# KiCad board for_real_486_rc13.kicad_pcb (continued)
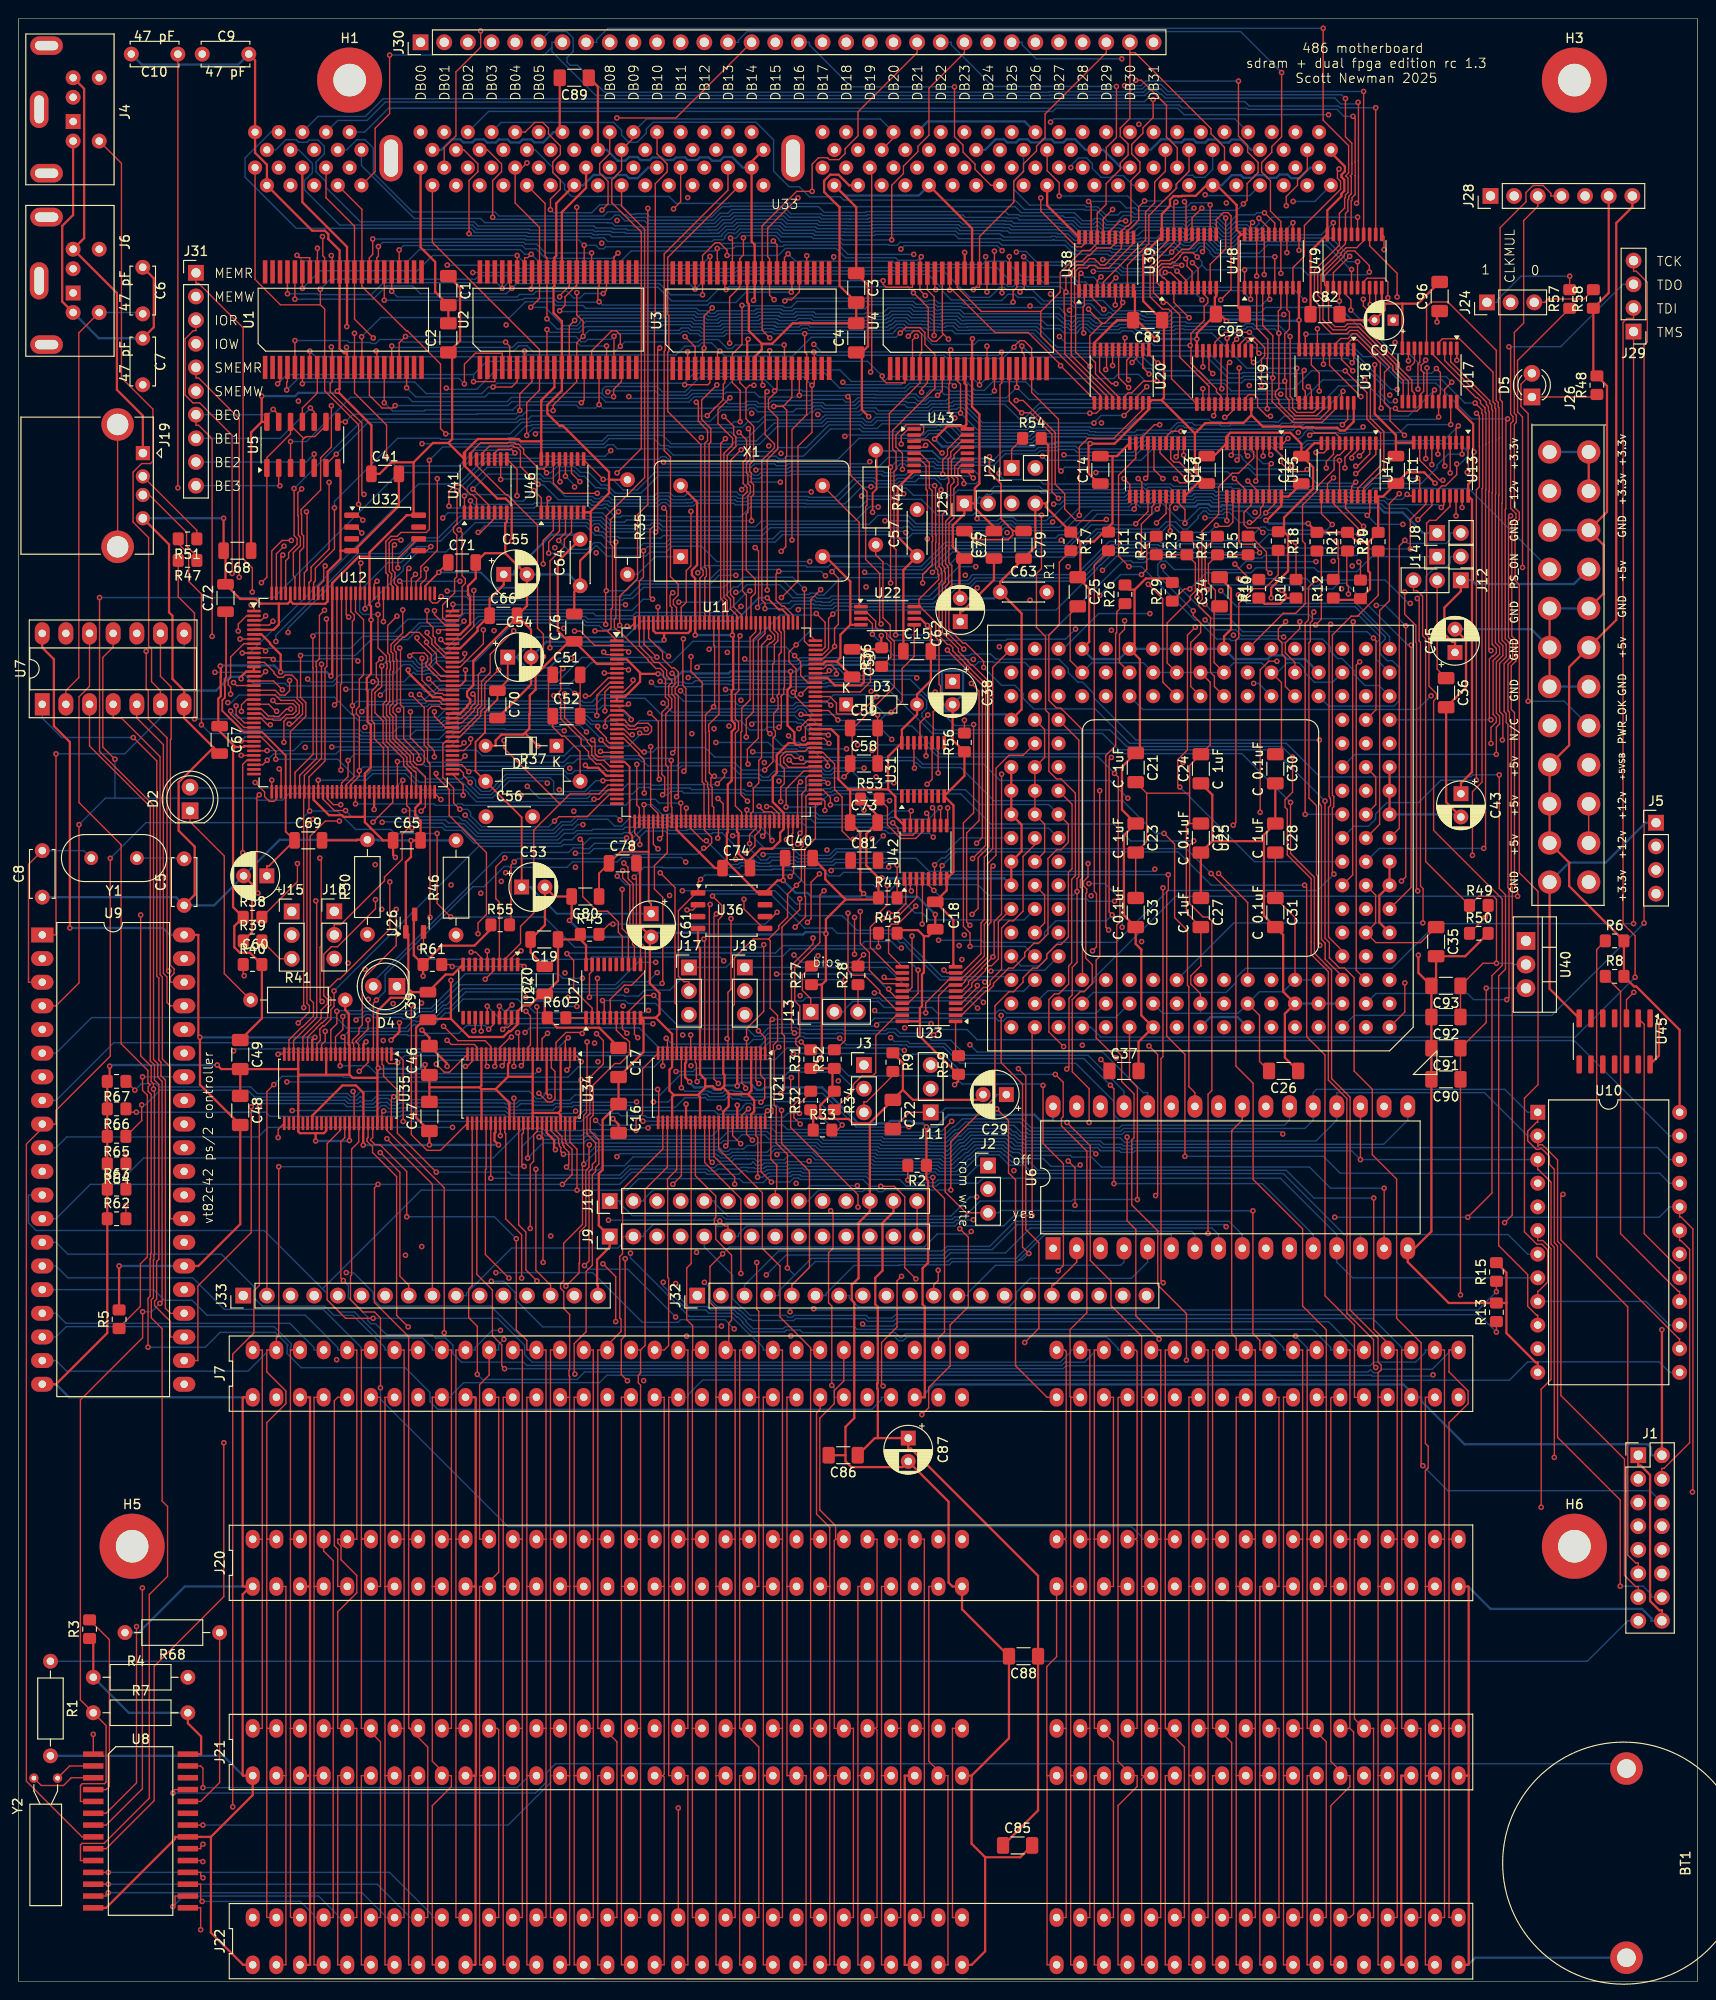
[diagram p0: board, top side]
## Routing (per net, layer and track width the routed paths; a pad name or vN(x,y) marks a point on that pad's centre or on a via; arc(x,y) is an arc through that point) (continued)
  In1.Cu w0.25: J7.3 29.15,62.74 29.15,63.81 26.42,66.55 26.42,68.34 19.31,75.45 19.31,76.84 U9.26 ; v1(43.33,102.17) 41.7,102.17 v1(40.91,102.97) ; 64.25,93.48 62.69,95.04 v1(57.04,95.04) ; 64.25,93.48 64.25,93.08 v1(63.84,92.66) ; 64.25,93.48 67.4,96.62 v1(72.09,96.62) ; J1.2 176.53,55.34 176.16,55.34 175.17,54.34 175.17,53.97 J1.3 ; v1(124.29,158.24) 124.29,159.13 120.57,162.86 110.69,162.86 110.39,162.56 J27.2 ; v1(37.32,100.92) 38.11,101.71 39.46,101.71 40.01,101.16 v1(40.01,101.1) ; v1(51.14,98.28) 51.14,98.19 50.55,97.59 46.71,97.59 v1(46.03,98.28) 44.88,99.42 33.81,99.42 v1(31.83,101.4) ; J21.3 29.15,22.1 29.15,22.5 27.01,24.64 23.52,24.64 19.31,28.85 R7.2
  In2.Cu w0.25: J7.29 96.27,60.75 96.71,60.31 96.71,51.45 95.19,49.92 95.19,42.42 ; J21.78 150.68,22.1 150.68,42.42 150.68,42.42 ; J21.29 95.19,22.1 95.19,42.42 ; J20.78 150.68,42.42 ; J19.1 13.35,163.07 13.21,163.07 2.53,152.39 U7.14 ; J12.1 154.93,151.67 154.56,151.67 153.75,152.48 153.75,153.84 153.19,154.4 152.38,154.4 J8.1 ; v1(51.14,98.28) 51.14,98.26 54.64,94.76 56.77,94.76 v1(57.04,95.04) ; J26.6 167.08,144.86 167.08,150.08 J26.4 ; J7.78 150.68,62.74 150.68,58.5 150.49,58.31 150.49,55.92 150.22,55.65 150.22,55.13 150.49,54.86 150.49,54.43 150.68,54.24 150.68,42.42 ; 95.19,42.42 J20.29 ; U10.24 178.43,92.22 178.15,92.22 176.53,90.6 v1(176.53,70)
  Bottom w0.25: U6.32 111.12,92.45 109.77,92.45 109.14,93.08 99.89,93.08 98.6,91.79 v1(97.52,91.79) 97.16,92.15 96.15,92.15 95.89,92.41 93.65,92.41 93.39,92.16 90.19,92.16 86.32,96.02 80.16,96.02 79.9,95.76 79.31,95.76 78.51,96.56 77.58,96.56 v1(77.2,96.17) 77.13,96.24 75.85,96.24 75.43,95.82 75.25,95.82 75.21,95.78 74.69,95.78 74.43,96.05 73.18,96.05 73.15,96.02 72.6,96.02 72.09,96.53 v1(72.09,96.62) ; U9.40 16.25,112.4 15.51,113.15 v1(5.5,113.15) ; J7.29 97.34,62.74 97.34,63.14 98.32,64.12 148.77,64.12 150.14,62.74 ; 150.14,62.74 150.68,62.74 150.68,62.33 155.32,57.69 174.98,57.69 175.35,57.32 175.35,56.51 J1.2 ; 150.14,62.74 J7.78 ; J26.4 167.08,150.09 156.5,150.09 156.1,150.5 J12.1 ; R4.1 11.83,28.85 R7.2 ; v1(124.29,158.24) 124.47,158.41 126.47,158.41 126.74,158.68 127.84,158.68 128.11,158.41 129.14,158.41 129.28,158.55 129.54,158.55 129.54,158.55 129.62,158.55 129.63,158.54 130.39,158.54 130.52,158.41 142.39,158.41 142.51,158.3 146.19,158.3 146.73,157.76 148.68,157.76 150.87,155.57 J8.1 ; U9.26 v1(10.8,76.84) ; v1(31.83,101.4) v1(19.48,101.4)
+12V: length 245.3
  Top w0.15: J26.11 J26.10 ; J20.9 44.44,42.42 ; 44.44,42.42 44.44,62.74 J7.9 ; 44.44,42.42 44.44,23.64 45.98,22.1 ; v1(154.89,73.73) C90.1 C91.1 157.65,103 v1(157.65,106.68) ; J22.9 44.44,1.78 44.44,18.87 46.49,20.93 46.49,22.1 45.98,22.1 ; 45.98,22.1 J21.9
  In2.Cu w0.15: U40.3 161.93,107.91 162.46,107.91 166.57,112.01 166.57,120.17 J26.11 ; v1(151.94,65.15) 153.17,66.38 153.17,72.02 v1(154.89,73.73)
  Bottom w0.15: v1(151.94,65.15) 151.81,65.01 145.41,65.01 145.32,65.11 63.19,65.11 62.39,64.3 47.8,64.3 46.49,62.99 46.49,62.74 J7.9 ; U40.3 v1(157.65,106.68)
GND: length 2483.1
  Top w0.25: 128.23,122.47 128.23,127.45 C24.1 ; 128.23,122.47 133.77,122.47 ; 128.23,122.47 C32.2 C27.1 ; R30.2 36.39,122.62 36.32,122.55 C69.2 ; C38.2 100.33,133.35 R56.1 101.6,129.48 U31.8 100.43,126.31 100.43,119.16 99.69,118.42 99.69,117.19 C18.1 100.41,114.01 100.41,109.21 U23.10 ; U16.10 117.98,163.83 117.51,163.83 ; U20.10 115.57,176.02 117.99,178.44 C83.2 119.92,178.63 ; U11.86 84.78,133 84.6,132.82 83.51,132.82 83.33,133 ; v1(43.66,98.47) 43.66,97.82 C46.1 44.13,96.03 ; C12.2 139.18,165.22 U14.10 ; C12.2 137.8,165.16 136.61,166.34 130.18,166.34 129.79,165.96 U15.10 128.4,163.83 C13.2 ; C12.2 137.87,163.83 139.07,162.63 139.07,160.35 135.94,157.22 135.94,155.71 ; 76.28,95.31 76.28,94 75.7,93.42 U21.39 ; 76.28,95.31 78.36,95.31 ; 76.28,95.31 76.28,95.43 75.66,96.05 ; U38.10 119.92,181.45 119.92,178.63 ; 79.83,175.9 80.95,175.9 83.14,178.09 C4.2 C3.2 88.19,182.13 88.19,190.55 86.53,192.2 86.53,193.4 87.18,194.05 88.08,194.05 89.22,192.91 U33.43 ; 79.83,175.9 79.83,175.25 79.07,174.49 U3.12 ; 79.83,175.9 78.44,177.29 78.44,180.17 78.27,180.35 U3.34 ; 135.94,155.71 136.37,155.27 136.37,151.49 134.55,149.67 v1(134.55,148.6) ; 135.94,155.71 R18.1 ; 119.92,178.63 v1(122.16,176.39) ; R11.1 116.81,155.94 ; 116.81,155.94 117.51,156.64 117.51,163.83 ; 116.81,155.94 115.51,154.64 114.06,154.64 ; C37.2 120.31,100.92 U25.A11 120.6,103.76 120.6,110.83 120,111.43 C33.2 118.73,114.51 118.73,123.1 C23.1 118.53,125.84 118.53,130.46 C21.1 120.45,132.38 120.45,142.01 U25.S12 119.88,143.67 119.88,149.48 ; U34.28 49.72,95.83 ; 49.72,95.83 51.24,95.83 ; 49.72,95.83 49.53,96.03 ; J21.80 155.71,22.1 ; U11.5 65.32,142 66.75,140.57 66.75,140.44 ; v1(82.93,140.7) 82.93,139.07 82.59,138.73 82.59,134.9 83.33,134.16 83.33,133 ; 53.55,146.69 55.04,145.19 C54.2 55.04,139.29 C70.2 ; 53.55,146.69 54.61,147.75 C55.2 54.54,151.13 52.27,153.4 ; 53.55,146.69 53.55,146.55 48.84,141.85 48.84,139.21 48.18,138.54 48.18,138.02 48.51,137.69 48.51,137.36 48.2,137.05 48.2,136.94 47.44,136.18 U12.86 ; 69.34,144.82 71.92,144.82 72.18,145.08 U11.132 ; 69.34,144.82 v1(69.34,144.09) ; 69.34,144.82 68.45,144.82 68.18,145.1 U11.140 ; 86.29,107.06 86.29,99.26 R31.1 R52.1 87.43,97.86 87.43,95.82 R34.1 86.11,94.09 86.11,93.01 ; 86.29,107.06 R27.1 ; 86.29,107.06 86.72,107.5 v1(86.72,112.53) 86.72,114.09 88.83,116.19 ; 68.44,103.5 U27.10 67.13,103.18 67.13,99.82 C17.2 C16.1 62.73,92.54 62.73,87.18 62.32,86.76 62.32,81.18 63.5,80.01 ; 68.44,103.5 70.2,101.75 U21.21 70.2,98.2 69.92,97.93 69.92,95.66 70.37,95.21 ; 68.44,103.5 68.85,103.91 68.85,106.16 67.81,107.19 67.81,112.05 C61.2 66.76,113.37 66.76,119.69 C78.2 ; U34.39 55.22,93.29 ; 55.22,93.29 57.98,93.29 ; 55.22,93.29 55.22,97.17 ; 117.51,163.83 C14.2 ; 52.57,97.17 52.57,98.54 52.72,98.69 U34.15 ; 52.57,97.17 51.24,95.83 ; 52.57,97.17 55.22,97.17 ; 57.98,93.29 58.22,93.53 U34.4 ; 57.98,93.29 58.22,93.04 U34.45 ; 49.03,22.1 49.08,22.05 49.08,1.83 49.03,1.78 J22.10 ; 49.03,22.1 J21.10 ; 49.03,22.1 49.12,22.18 49.12,42.33 49.03,42.42 ; 114.06,154.64 R17.1 113.03,155.69 110.35,158.38 110.35,158.75 ; 114.06,154.64 114.06,151.11 C25.1 115,149.58 115,143.88 U25.S14 ; 20.65,15.52 20.65,5.24 24.12,1.78 J22.1 ; 20.65,15.52 U8.21 16.8,15.52 16.8,15.3 9.4,7.9 U8.14 ; 20.65,15.52 25.15,20.01 J21.1 24.12,22.1 24.07,22.15 24.07,41.57 24.91,42.42 ; C2.2 C1.2 44.75,181.46 44.75,184.69 43.18,186.26 U33.12 ; 110.35,158.75 110.6,159.01 110.6,164.99 R54.2 ; 110.35,158.75 J25.4 109.22,154.1 C79.2 105.45,150.33 C63.1 107.75,146.93 107.75,136.62 U25.P17 ; 91.37,92.14 91.44,92.07 J10.12 91.44,82.69 90.23,81.49 90.23,75.54 89.5,74.81 89.5,73.17 89.77,72.9 89.77,60.5 88.82,59.56 88.82,56.51 ; 91.37,92.14 C22.1 94.99,95.76 ; 91.37,92.14 89.67,92.14 89.17,92.64 86.47,92.64 86.11,93.01 ; 27.95,147.99 28.92,147.99 29.19,148.26 ; 27.95,147.99 25.98,147.99 25.49,148.49 23.8,148.49 C72.2 22.23,153.46 C68.2 v1(22.02,157.15) ; 27.95,147.99 27.95,145.73 27.4,145.18 U12.5 ; C62.2 101.07,148.63 101.07,152.3 C77.2 100.35,154.08 100.35,156.37 101.6,157.62 J25.1 102.73,158.75 ; J22.31 102.37,1.78 103.83,3.23 103.83,13.33 ; J20.1 24.91,42.42 ; 24.91,42.42 24.12,42.42 24.06,42.47 24.06,62.68 24.12,62.74 J7.1 ; U21.10 75.7,97.49 75.82,97.36 75.82,96.21 75.66,96.05 ; C49.2 C48.1 ; C49.2 21.77,97.99 v1(21.34,98.42) ; C49.2 30.04,97.99 ; 42.27,106.25 42.27,106.24 41.68,105.65 39.97,105.65 38.54,104.22 U35.4 38.54,98.1 ; 42.27,106.25 41.87,106.65 41.87,112.46 U26.1 41.59,120.21 42.15,120.77 v1(42.15,122.54) 42.17,122.55 C65.2 43.18,124.66 42.61,125.23 42.61,126.04 43.19,126.62 U12.69 ; 42.27,106.25 C39.2 45.87,108.15 46.67,108.15 U24.10 ; 52.27,153.4 50.1,153.4 C71.2 49.1,150.7 48.27,149.87 48.27,148.91 48.5,148.68 48.5,145.75 47.42,144.68 U12.103 ; 52.27,153.4 52.27,156.58 52.44,156.74 U41.8 ; 119.88,149.48 119.35,149.48 R26.2 ; 119.88,149.48 119.89,149.48 121.09,150.69 123.5,150.69 R29.2 ; 83.33,133 82.71,133 81.44,131.73 81.44,129.8 81.02,129.37 81.02,126.68 82.18,125.51 U11.69 82.18,123.76 81.81,123.38 81.81,122.5 80.97,121.66 79.72,121.66 78.56,120.51 C74.2 78.56,119.88 77.31,121.14 77.31,121.24 77.33,121.27 77.33,123.31 77.18,123.47 U11.59 ; C7.1 14.52,177.68 14.52,182.92 C6.1 ; U25.S8 129.49,144.48 130.24,145.22 130.24,149.59 C34.2 ; 51.24,95.83 52.72,94.35 U34.34 ; 103.83,13.33 102.37,14.79 102.37,22.1 ; 103.83,13.33 107.6,13.33 C85.2 ; 31.91,91.1 32.79,91.1 33.04,91.35 U35.34 ; 31.91,91.1 v1(31.91,90.27) ; 31.91,91.1 30.22,91.1 30.04,91.28 U35.28 30.04,97.38 ; v1(102.46,176.44) 102.42,176.4 U4.12 102.42,169.12 103.21,168.33 103.21,160.87 102.73,160.39 102.73,158.75 ; 146.44,181.92 146.44,180.52 146.75,180.21 ; 102.73,158.75 102.73,158.26 104.77,156.22 C75.2 ; 61.36,157.79 61.46,157.69 61.46,153.74 60.33,152.61 C64.1 59.69,149.26 C76.2 ; 61.36,157.79 63.43,159.86 63.43,161.29 ; 61.36,157.79 60.69,157.79 ; 86.11,93.01 85.83,92.73 85.36,92.73 ; C50.2 87.89,141.77 ; 87.89,141.77 88.28,142.15 88.28,144.64 89.35,145.71 ; 87.89,141.77 86.68,141.77 86.41,141.5 U11.103 ; 92.37,118.53 v1(92.73,118.53) ; 92.37,118.53 91.07,119.84 91.07,123.25 C73.2 92.28,125.22 90.5,127 R53.1 ; 92.37,118.53 R44.1 92.18,116.19 88.83,116.19 ; 70.37,95.21 70.2,95.03 U21.28 ; 70.37,95.21 72.98,95.21 ; U22.4 89.35,145.71 ; 89.35,145.71 89.35,150.37 86.68,153.03 X1.7 ; 73.76,96.15 74.58,96.15 74.91,95.82 75.43,95.82 75.66,96.05 ; 73.76,96.15 73.76,96.88 73.2,97.43 73.2,99.69 U21.15 73.2,110.96 72.98,111.18 U36.4 ; 73.76,96.15 73.76,95.99 72.98,95.21 ; C26.1 136.02,99.22 136.02,103.94 U25.B5 135.84,106.3 135.84,112.4 C31.2 133.77,114.47 133.77,122.47 ; 148.64,180.21 U17.10 ; 148.64,180.21 146.75,180.21 ; 148.64,180.21 150.32,180.21 C96.2 ; 30.04,97.99 U35.21 ; 30.04,97.99 30.04,97.38 ; J21.31 102.37,22.1 ; 102.37,22.1 106.39,26.11 C88.2 101.35,39.97 J20.31 100.32,42.42 99.9,42.84 99.9,51.52 C87.2 94.95,55.24 89.46,55.24 88.82,55.88 88.82,56.51 ; R39.1 25.07,112.7 25.07,117.84 C60.2 ; v1(145.67,173.64) 145.67,168.37 147.95,166.09 147.95,165.28 ; U11.14 U11.13 65.16,138 66.75,139.6 66.75,140.44 ; 133.77,122.47 133.77,123.14 C28.1 C30.2 ; 146.75,180.21 146.75,179.52 C97.2 145.65,178.44 142.53,178.44 C82.2 ; U25.K1 U25.L1 U25.M1 ; 35.54,97.38 35.88,97.05 38.54,97.05 ; 35.54,97.38 33.04,97.38 ; 35.54,97.38 U35.10 35.54,100.56 35.46,100.64 35.46,103.96 35.08,104.33 R41.2 ; C15.1 95.05,151.6 C57.1 94.44,155.16 94.44,160.43 U43.8 ; 63.43,161.29 63.43,162.13 58.47,167.09 58.11,167.09 56.79,168.41 56.79,169.31 58.36,170.87 U2.12 58.36,178.31 57.46,179.21 57.46,181.99 57.55,182.09 57.55,185.14 57.76,185.34 57.76,190.98 U33.23 ; 63.43,161.29 R35.1 ; U9.20 4.02,64.14 9.52,69.65 R62.1 R63.1 R64.2 R65.2 R66.2 R67.2 9.78,96.92 v1(9.78,98.3) ; 29.19,148.26 U12.140 ; 29.19,148.26 29.49,147.97 32.94,147.97 33.19,148.22 U12.132 33.19,151.41 34.58,152.79 34.58,153.67 ; U25.E1 146.18,113.74 146.18,116.63 U25.G1 U25.H1 ; 30.04,97.38 33.04,97.38 ; C45.2 155.49,144.06 155.49,138.99 C36.2 153.35,126.66 C43.2 ; J33.16 62.23,74.79 62.14,74.87 62.14,77.53 63.5,78.88 63.5,80.01 ; 128.65,179.11 C95.2 126.57,177.03 v1(126.57,176.4) U19.10 ; 128.65,179.11 128.5,179.26 128.5,180.87 128.65,181.02 128.65,181.92 ; 128.65,179.11 128.98,179.11 v1(129.75,178.34) ; U4.34 v1(101.62,185.71) ; 78.36,95.31 79.02,94.64 79.02,93.46 78.7,93.14 U21.45 ; 78.36,95.31 78.73,95.67 78.73,96.28 78.7,96.31 U21.4 ; R15.2 159.82,76.13 159.82,72.87 ; J6.3 4.68,180.43 4.68,188.56 5.85,189.73 J4.3 ; 44.13,96.03 49.53,96.03 ; 44.13,96.03 C47.2 ; J20.80 155.71,42.42 155.77,42.36 155.77,22.16 155.71,22.1 ; J26.17 J26.18 J26.19 ; U25.M17 U25.L17 U25.K17 107.74,124.23 107.74,121.38 U25.H17 U25.G17 ; R33.1 85.36,92.73 ; 85.36,92.73 85.09,93 R32.1 ; 63.5,80.01 J9.1 ; R50.2 155.4,110.11 C35.2 152.27,107.44 C93.2 ; 159.82,72.87 159.82,69.63 162.97,66.49 163.19,66.49 U10.12 ; 159.82,72.87 R13.2 153.62,72.87 149.23,77.26 149.23,78 ; U33.107 58.13,198.92 C89.2 ; C41.2 40.84,158.48 36.03,153.67 U32.4 34.58,153.67 ; 38.54,98.1 38.54,97.05 ; 38.54,98.1 v1(38.63,98.1) ; 38.54,97.05 U35.45 ; 155.71,22.1 155.78,22.03 155.78,1.84 155.71,1.78 J22.80 ; C11.1 147.95,165.28 ; 147.95,165.28 U13.10 ; 49.53,96.03 49.72,96.21 49.72,99.59 U34.21 ; 88.82,56.51 C86.2 ; 72.98,95.21 73.2,94.99 U21.34 ; U5.7 34.58,162.27 34.58,153.67 ; C5.1 18.91,116.71 18.91,121.88 17.19,123.6 17.19,128.78 20.93,132.53 ; 149.23,78 149.23,78.74 ; 149.23,78 151.76,80.54 C90.2 C91.2 C92.2 C93.2 ; 33.04,97.38 U35.15 ; 88.83,116.19 86.66,118.37 86.66,119.29 C40.2 ; 49.03,42.42 49.1,42.49 49.1,62.67 49.03,62.74 J7.10 ; 49.03,42.42 J20.10 ; C29.2 103.04,94.68 96.06,94.68 94.99,95.76 ; 38.19,127.77 v1(38.19,125.87) ; 20.93,132.53 17.77,135.69 U7.7 17.77,138.65 16.52,139.9 16.52,146.68 16.16,147.04 16.16,154.34 J19.4 ; 20.93,132.53 C67.2 ; 94.99,95.76 94.99,98.66 R9.1 ; v1(59.17,113.95) 59.41,114.19 59.41,116.53 57.56,116.53 C53.2 56.54,113.46 C19.2 54.99,110.52 C20.2 ; U48.10 137.53,181.91 137.53,178.45 v1(137.55,178.44) 137.55,175.29 U18.10 ; C9.1 25.4,206.33 U33.85 25.4,196.41 26.67,195.14 U33.1 31.54,188.04 32.9,188.04 33.27,187.67 33.27,187.14 34.48,185.93 34.48,175.37 34.96,174.88 35.28,174.88 U1.12 ; C93.2 150.37,108.33 v1(150.37,110.23) ; 66.75,140.44 v1(68.69,140.44) ; J26.5 170.26,149.06 170.26,154.28 J26.3 170.63,157.84 170.63,171.36 R48.2 169.16,172.83 R58.1 170.81,181.36 J28.6 ; U35.39 35.54,90.32 v1(35.54,90.32) ; J26.24 164.46,106.61 U45.7 ; 55.22,97.17 U34.10 ; J1.16 176.53,39.86 176.25,39.86 175.26,40.85 175.26,54.4 174.27,55.39 173.99,55.39 J1.1 ; U12.13 U12.14 24.44,140.68 23.9,140.14 v1(23.9,139.91)
  In1.Cu w0.25: R46.2 50.2,122.55 ; U33.54 100.65,194.82 99.53,193.7 98.59,193.7 98.26,194.03 97.32,194.03 97,193.71 96.04,193.71 95.72,194.03 94.78,194.03 94.46,193.71 93.5,193.71 93.16,194.05 92.26,194.05 91.12,192.91 U33.43 ; U25.M17 107.74,131.54 107.74,134.39 U25.P17 ; J7.80 155.71,62.74 158.38,65.41 U10.12 164.27,65.41 172.86,56.81 172.86,56.51 J1.1 ; J7.10 49.03,62.74 49.03,63.08 50.09,64.13 59.55,64.13 61.88,66.47 61.88,72.19 62.23,72.53 J33.16 ; C57.1 97.33,153.07 101.15,149.25 C62.2 ; U33.12 40.17,191.8 27.78,191.8 U33.1 ; U25.Q2 143.32,139.46 140.78,139.46 U25.R4 ; C97.2 v1(137.55,178.44) ; U25.A9 125.84,103.6 122.98,103.6 U25.A11 ; J26.24 161.94,118.07 C43.2 ; C53.2 54.72,119.37 53.21,119.37 52.52,120.05 51.97,120.05 50.2,121.82 50.2,122.55 ; v1(150.37,110.23) 147.95,112.65 U25.E1 ; C87.2 101.17,61.46 101.35,61.46 J7.31 ; 50.2,122.55 C56.1 ; U25.B5 135.84,103.76 133.3,103.76 U25.A7
  In2.Cu w0.25: C97.2 145.66,173.65 v1(145.67,173.64) ; U33.43 90.17,195.14 91.26,196.23 91.26,197.22 89.85,198.63 U33.127 ; U33.162 133.35,196.09 U33.78 132.2,194.69 132.2,190.3 130.7,188.8 130.7,179.29 v1(129.75,178.34) ; U25.K1 146.16,124.23 146.16,121.38 U25.H1 ; v1(102.46,176.44) 101.62,177.28 v1(101.62,185.71) 101.6,185.74 U33.54 102.87,196.09 U33.138 ; v1(38.19,125.87) 37.44,125.12 37.44,123.72 37.47,123.7 R30.2 ; U25.Q2 145.82,136.96 145.82,131.88 U25.M1 ; U33.32 69.85,196.09 U33.116 ; U33.23 59.69,195.14 60.78,196.23 60.78,197.22 59.37,198.63 U33.107 ; U33.96 43.18,195.45 U33.12 ; v1(69.34,144.09) 69.19,143.94 69.19,141.91 68.69,141.41 v1(68.69,140.44) ; U25.E17 107.74,113.76 107.74,116.61 U25.G17 ; v1(134.55,148.6) 134.55,143.15 U25.S6 ; U33.148 115.57,196.09 U33.64 ; C10.1 12.1,203.92 J4.3 ; U33.152 120.65,196.09 U33.68
  Bottom w0.25: U25.S14 115.35,142.03 118.23,142.03 U25.S12 U25.S11 U25.S10 U25.S9 U25.S8 130.59,142.03 134.17,142.03 134.57,142.43 ; C54.2 56.68,143.88 69.13,143.88 v1(69.34,144.09) ; 99.19,140.76 99.19,137.37 99.59,136.97 99.59,136.45 99.6,136.44 100.2,136.44 100.63,136.02 100.7,136.09 106.05,136.09 U25.P17 ; 99.19,140.76 91.59,140.76 90.94,141.41 87.44,141.41 87.39,141.37 87.34,141.42 84.26,141.42 83.54,140.7 v1(82.93,140.7) 76.47,140.7 76.26,140.48 72.38,140.48 72.18,140.68 71.28,140.68 70.47,139.87 69.57,139.87 69,140.44 v1(68.69,140.44) ; 99.19,140.76 101.27,140.76 101.46,140.57 101.46,138.26 C38.2 ; J6.3 8.62,176.49 C7.1 ; U33.162 132.4,196.72 131.29,197.83 130.33,197.83 130,197.5 129.08,197.5 128.74,197.84 127.8,197.84 127.48,197.52 126.52,197.52 126.2,197.84 125.26,197.84 124.94,197.52 123.98,197.52 123.64,197.86 122.74,197.86 121.6,196.72 U33.152 ; v1(35.54,90.32) 35.49,90.27 v1(31.91,90.27) ; v1(59.17,113.95) 60.94,112.18 C61.2 68.39,112.63 73.83,112.63 74.01,112.45 84.27,112.45 84.52,112.7 86.55,112.7 v1(86.72,112.53) ; J26.24 166.56,120.17 170.49,120.17 174.77,124.45 J5.1 ; J20.1 17.85,42.42 12.9,37.46 R68.2 ; C63.1 104.77,148.55 C62.2 ; v1(38.63,98.1) 38.72,98.02 43.21,98.02 v1(43.66,98.47) ; R1.2 21.99,24.23 24.12,22.1 J21.1 ; C43.2 154.66,125.35 U25.K1 ; U25.A9 128.05,103.58 130.94,103.58 U25.A7 ; J1.16 175.4,38.73 175.4,39 174.4,40 158.13,40 155.71,42.42 J20.80 ; J19.4 v1(22.02,157.15) ; C9.1 23.6,205.88 13.23,205.88 C10.1 ; 42.15,122.55 38.61,122.55 38.54,122.62 R30.2 28.05,122.62 C60.2 21,115.57 C5.1 16.9,116.45 C8.1 ; 42.15,122.55 v1(42.15,122.54) ; 42.15,122.55 R46.2 ; U33.68 118.43,194.82 116.52,196.72 U33.148 114.62,196.72 113.48,197.86 112.58,197.86 112.24,197.52 111.28,197.52 110.96,197.84 110.02,197.84 109.71,197.53 108.73,197.53 108.4,197.86 107.5,197.86 107.16,197.52 106.2,197.52 105.86,197.86 104.96,197.86 103.82,196.72 U33.138 ; v1(23.9,139.91) 23.68,140.13 22.7,140.13 21.21,138.65 17.77,138.65 U7.7 ; v1(21.34,98.42) 9.91,98.42 v1(9.78,98.3) ; J22.80 155.71,1.78 156.47,2.54 BT1.2 ; C55.2 59.09,151.13 C64.1 ; v1(137.55,178.44) 137.48,178.37 133.94,178.37 133.79,178.51 129.93,178.51 v1(129.75,178.34) ; U33.107 57.47,198.63 56.37,197.53 55.39,197.53 55.08,197.84 54.14,197.84 53.81,197.51 52.87,197.51 52.54,197.84 51.6,197.84 51.28,197.52 50.32,197.52 50,197.84 49.06,197.84 48.74,197.52 47.78,197.52 47.44,197.86 46.54,197.86 45.4,196.72 U33.96 ; 134.57,142.43 U25.S6 ; 134.57,142.43 135.88,142.43 136.28,142.03 138.21,142.03 U25.R4 ; U33.23 60.64,192.91 61.75,194.02 62.71,194.02 63.03,193.7 63.97,193.7 64.29,194.02 65.25,194.02 65.59,193.68 66.49,193.68 67.63,194.82 U33.32 ; U9.20 4.02,64.14 5.42,62.74 J7.1 ; J26.17 J26.5 ; C57.1 86.4,153.07 X1.7 ; J26.19 J26.7 ; v1(122.16,176.39) 122.17,176.4 v1(126.57,176.4) ; J26.18 162.5,145.24 C45.2 ; v1(92.73,118.53) 92.79,118.47 105.89,118.47 U25.G17 ; U25.B3 U25.B4 U25.B5 ; J26.15 J26.3
A00: length 122.5
  Top w0.15: v1(71.41,144.2) 71.35,144.14 71.35,139.2 71.69,138.87 71.69,130.2 v1(71.46,129.98) ; v1(68.68,121.64) 68.18,122.15 U11.41 ; U13.2 v1(155.06,164.04)
  In1.Cu w0.15: v1(90.56,159.54) 85.19,154.18 82.66,154.18 82.6,154.24 81.27,154.24 71.41,144.38 v1(71.41,144.2)
  In2.Cu w0.15: v1(68.68,121.64) 69.9,122.86 69.9,125.46 70.1,125.67 70.1,126.15 69.9,126.35 69.9,126.87 70.1,127.07 70.1,128.62 v1(71.46,129.98)
  Bottom w0.15: v1(90.56,159.54) 94.02,159.54 94.87,160.39 95.35,160.39 96.12,159.62 100.38,159.62 100.92,160.16 104.16,160.16 104.29,160.04 104.82,160.57 109.67,160.57 110.02,160.22 118.61,160.22 118.87,160.48 119.14,160.48 119.14,160.49 120.81,160.49 121.08,160.22 121.08,160.22 121.35,160.49 123.28,160.49 123.28,160.49 123.63,160.49 123.9,160.22 125.72,160.22 125.99,160.49 130.24,160.49 130.38,160.35 131.14,160.35 131.27,160.22 143.14,160.22 143.26,160.11 144.61,160.11 145.37,160.87 150.66,160.87 152.39,162.6 152.39,162.87 153.56,164.04 v1(155.06,164.04)
A01: length 123.2
  Top w0.15: U11.42 68.68,125.45 67.9,126.23 v1(67.9,132.63) ; v1(154.66,167.07) 154.42,166.83 U13.3
  In2.Cu w0.15: v1(79.2,162.34) 78.94,162.34 73.55,156.95 73.55,138.66 72.27,137.38 72.27,137.01 v1(67.9,132.63)
  Bottom w0.15: v1(79.2,162.34) 79.31,162.45 82.61,162.45 82.81,162.65 92.37,162.65 93.41,163.69 95.47,163.69 95.6,163.57 98.43,163.57 98.8,163.19 104.52,163.19 105.75,164.42 109.21,164.42 109.56,164.77 111.43,164.77 111.55,164.89 113.55,164.89 113.85,164.59 118.69,164.59 119.31,165.22 120.21,165.22 120.39,165.4 120.96,165.4 121.13,165.57 134.86,165.57 135.29,165.14 137.98,165.14 137.99,165.13 138.36,165.5 153.09,165.5 v1(154.66,167.07)
A02: length 53.5
  Top w0.15: v1(153.78,162.03) 153.78,165.26 U13.4
  In1.Cu w0.15: U25.Q14 115.52,139.32 117.02,139.32 118.06,140.36 118.06,140.8 118.94,141.68 121.93,141.68 123.14,142.9 123.14,143.35 127.14,147.34 127.71,147.34 128.03,147.67 137.46,147.67 148.29,158.5 149.35,158.5 151.58,160.73 151.58,161.16 151.92,161.49 152.35,161.49 152.88,162.03 v1(153.78,162.03)
A03: length 54.7
  Top w0.15: U13.5 153.12,162.86 v1(153.21,162.77)
  In1.Cu w0.15: v1(153.21,162.77) 152.7,162.77 151.23,161.3 151.23,160.88 149.2,158.85 145.45,158.85 143.9,157.31 143.9,156.27 140.7,153.07 133.75,153.07 133.55,152.88 133.07,152.88 133.07,152.88 129.35,152.88 129,152.53 127.98,152.53 125.01,149.56 125.01,149.42 121.93,146.34 121.02,146.34 118.24,143.56 118.24,142.58 117.29,141.63 112.76,141.63 U25.R15
A04: length 55.2
  Top w0.15: U13.6 v1(152.46,164.04)
  In1.Cu w0.15: v1(152.46,164.04) 152.35,164.15 149.55,164.15 143.67,158.27 138.6,158.27 134.71,154.38 132.93,154.38 132.65,154.1 129.58,154.1 128.88,153.4 128.8,153.4 128.64,153.24 127.56,153.24 125.16,150.84 125.16,150.7 124.3,149.85 124.3,149.71 122.78,148.19 122.29,148.19 122.15,148.05 121.84,148.05 117.89,144.1 117.89,142.72 117.15,141.98 110.32,141.98 U25.S16
A05: length 61.2
  Top w0.15: U13.7 151.81,162.92 v1(151.81,162.91)
  In2.Cu w0.15: v1(151.81,162.91) 151.26,162.36 151.26,138.55 v1(151.73,138.08)
  Bottom w0.15: v1(151.73,138.08) 150.26,136.61 120.77,136.61 U25.Q12
A06: length 49.9
  Top w0.15: U13.8 v1(151.17,163.55)
  In1.Cu w0.15: v1(121.53,146.92) 122.45,147.84 122.93,147.84 124.66,149.56 124.66,149.7 125.51,150.56 125.51,150.69 127.71,152.88 128.78,152.88 128.95,153.05 129.02,153.05 129.73,153.75 132.79,153.75 133.07,154.03 133.55,154.03 133.62,153.96 139.94,153.96 149.53,163.55 v1(151.17,163.55)
  Bottom w0.15: U25.S15 112.23,143.13 116.02,146.92 v1(121.53,146.92)
A07: length 52.9
  Top w0.15: v1(152.99,161.23) 152.67,161.23 150.51,163.39 U13.9
  In1.Cu w0.15: U25.Q13 117.87,136.97 119.76,136.97 120.59,137.81 120.59,138.29 121.62,139.32 122.09,139.32 123.14,140.37 123.14,140.82 124.18,141.86 124.67,141.86 125.68,142.87 125.68,143.34 129.66,147.32 137.72,147.32 148.11,157.7 149.2,157.7 151.84,160.34 152.4,160.34 152.99,160.94 v1(152.99,161.23)
A08: length 44.7
  Top w0.15: U14.2 145.15,164.07 143.83,162.75 v1(143.64,162.75)
  In1.Cu w0.15: v1(141.22,152.54) 140.55,152.54 136.03,148.02 134.32,148.02 133.98,148.35 127.84,148.35 127.64,148.55 127.26,148.55 126.82,148.1 125.35,148.1 120.6,143.35 120.6,142.9 119.77,142.06 118.27,142.06 U25.R13
  In2.Cu w0.15: v1(141.22,152.54) 141.22,152.95 140.93,153.23 140.93,155.07 142.44,156.58 142.44,161.57 143.63,162.75 v1(143.64,162.75)
A09: length 41.6
  Top w0.15: U14.3 144.5,164.31 v1(144.03,163.84)
  In1.Cu w0.15: v1(143.26,152.03) 138.2,146.97 131.82,146.97 128.22,143.37 128.22,142.89 127.19,141.86 126.71,141.86 125.68,140.83 125.68,140.36 124.64,139.32 123.14,139.32 U25.Q11
  In2.Cu w0.15: v1(143.26,152.03) 143.38,152.14 143.38,159.57 144.22,160.41 144.22,163.66 v1(144.03,163.84)
A10: length 39.2
  Top w0.15: v1(143.21,163.63) 143.21,163.84 143.85,164.47 U14.4
  In1.Cu w0.15: v1(143.21,163.63) 142.9,163.94 141.66,163.94 141.35,163.63 139.38,163.63 138.72,162.97 138.18,162.97 137.84,162.63 137.84,162.34 133.82,158.32 133.74,158.32 133.4,157.98 133.4,157.54 133.4,157.54 133.4,157.07 132.46,156.13 130.04,156.13 128.32,154.42 127.83,154.42 127.79,154.38 127.16,154.38 124.11,151.32 124.11,151.14 123.56,150.6 123.46,150.6 122.23,149.37 121.97,149.37 121.72,149.11 120.45,149.11 116.79,145.45 U25.S13
A11: length 40
  Top w0.15: v1(142.47,162.56) 142.47,163.7 143.2,164.43 U14.5 ; v1(118.8,146.15) 118.8,145.23 118.26,144.68 118.26,141.66 U25.R12
  In1.Cu w0.15: v1(118.8,146.15) 121.06,148.41 122.01,148.41 122.24,148.64 122.35,148.54 122.64,148.54 123.95,149.85 123.95,149.99 124.81,150.85 124.81,151.01 127.47,153.67 128.08,153.67 128.1,153.69 128.2,153.59 128.49,153.59 128.66,153.75 128.73,153.75 129.71,154.74 133.67,154.74 141.49,162.56 v1(142.47,162.56)
A12: length 27.6
  Top w0.15: U25.S7 135.86,146.95 137.18,146.95 138.2,147.97 138.2,154.42 137.92,154.71 137.92,158.57 139.47,160.12 139.47,160.54 141.32,162.39 141.32,163.6 141.66,163.94 141.9,163.94 142.55,164.59 U14.6
A13: length 41.6
  Top w0.15: U25.Q10 122.91,139.55 122.91,148.5 v1(121.35,150.06) ; v1(138.69,166.07) 138.89,166.28 141.47,166.28 141.9,165.85 U14.7
  In1.Cu w0.15: v1(121.35,150.06) 122.59,151.3 123.09,151.3 123.75,151.96 123.75,152.29 130.75,159.29 131.9,159.29 v1(138.69,166.07)
A14: length 25.4
  Top w0.15: U14.8 141.25,164.03 140.47,163.25 v1(140.47,162.54)
  In1.Cu w0.15: v1(142.12,149.58) 139.92,147.38 139.92,145.47 137.58,143.13 U25.S5
  In2.Cu w0.15: v1(142.12,149.58) 140.64,151.05 140.64,153.03 140.53,153.14 140.53,162.48 v1(140.47,162.54)
A15: length 29.5
  Top w0.15: v1(139.36,164.22) 139.39,164.19 140.22,164.19 140.6,164.57 U14.9
  In1.Cu w0.15: v1(132.83,157.78) 132.83,157.9 137.49,162.56 137.49,162.78 138.93,164.22 v1(139.36,164.22)
  In2.Cu w0.15: U25.R7 133.12,141.67 133.12,152.84 132.74,153.22 132.74,156.01 133.04,156.32 133.04,157.57 v1(132.83,157.78)
